# Altium PCB MiroCard.PcbDoc (part 1 of 2) (continued)
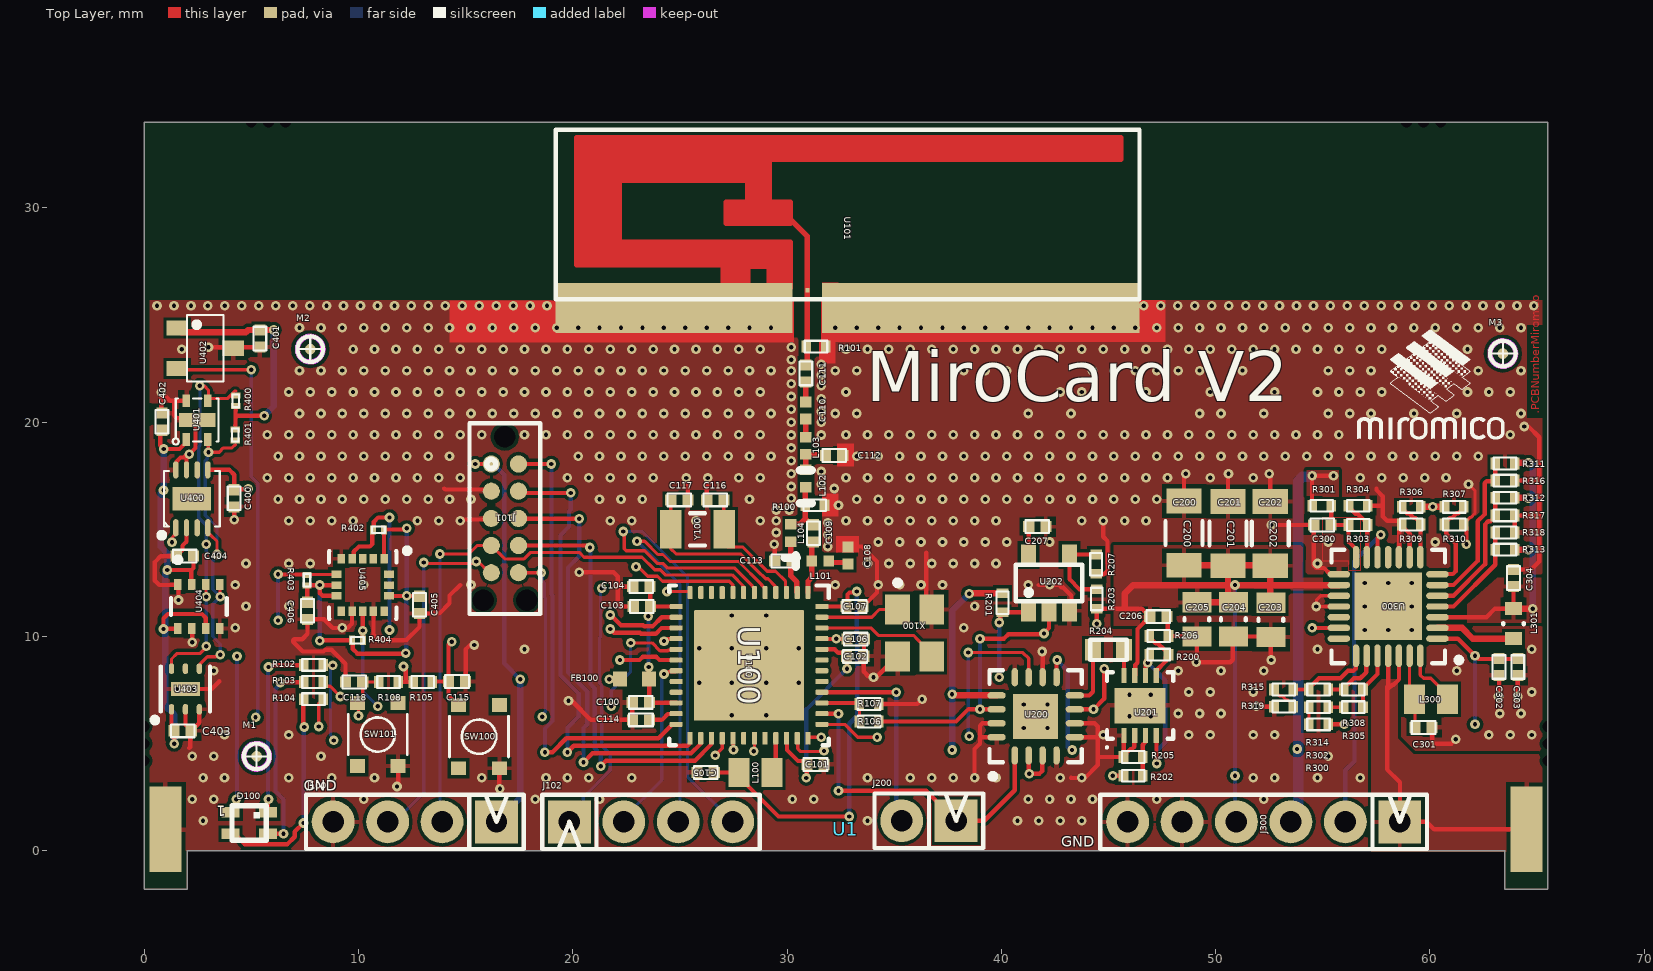
[diagram p0: Top Layer view]
## Footprints (in the part's own frame and the unit in brackets; to place one, negate y for a bottom-side part, rotate by r counter-clockwise, add the part's x,y. Pads: shape width x height; smd on the part's side, far side on the other; paste and mask are expansions set on the pad)
"2.4GHz Inverted F Antenna" [mm] "Antenna Patch, 2 pins, 1 side"
  rect 0.2x0.2 smd paste-10 mask+0: 1(0,0)
  rect 11.06x2.355 smd paste-10 mask+0.051: 2(-6.215,-0.823)
  rect 14.815x2.355 smd paste-10 mask+0.051: 3(8.093,-0.823)
  Top Layer lines w0.25: -10.77,1.245 -0.787,1.245 ; -10.77,1.448 -0.787,1.448 ; -10.77,1.651 -0.787,1.651 ; -10.77,1.854 -0.787,1.854 ; -10.77,2.057 -0.787,2.057 ; -10.77,2.261 -0.787,2.261 ; -10.77,2.464 -8.787,2.464 ; -10.77,2.667 -8.787,2.667 ; -10.77,2.87 -8.787,2.87 ; -10.77,3.073 -8.787,3.073 ; -10.77,3.277 -8.787,3.277 ; -10.77,3.48 -8.787,3.48 ; -10.77,3.683 -8.787,3.683 ; -10.77,3.886 -8.787,3.886 ; -10.77,4.089 -8.787,4.089 ; -10.77,4.293 -8.787,4.293 ; -10.77,4.496 -8.787,4.496 ; -10.77,4.699 -8.787,4.699 ; -10.77,4.902 -8.787,4.902 ; -10.77,5.105 -8.787,5.105 ; -10.77,5.309 -1.787,5.309 ; -10.77,5.512 -1.787,5.512 ; -10.77,5.715 -1.787,5.715 ; -10.77,5.918 -1.787,5.918 ; -10.77,6.121 -1.787,6.121 ; -10.77,6.325 14.63,6.325 ; -10.77,6.528 14.63,6.528 ; -10.77,6.731 14.63,6.731 ; -10.77,6.934 14.63,6.934 ; -3.937,0.229 -2.787,0.229 ; -3.937,0.432 -2.787,0.432 ; -3.937,0.635 -2.787,0.635 ; -3.937,0.838 -2.787,0.838 ; -3.937,1.041 -2.787,1.041 ; -3.787,3.277 -0.787,3.277 ; -3.787,3.48 -0.787,3.48 ; -3.787,3.683 -0.787,3.683 ; -3.787,3.886 -0.787,3.886 ; -3.787,4.089 -0.787,4.089 ; -2.787,4.293 -1.787,4.293 ; -2.787,4.496 -1.787,4.496 ; -2.787,4.699 -1.787,4.699 ; -2.787,4.902 -1.787,4.902 ; -2.787,5.105 -1.787,5.105 ; -1.787,0.229 -0.787,0.229 ; -1.787,0.432 -0.787,0.432 ; -1.787,0.635 -0.787,0.635 ; -1.787,0.838 -0.787,0.838 ; -1.787,1.041 -0.787,1.041 ; -0.854,3.375 0,2.521 0,0 ; -0.787,2.261 -0.787,0.127 -1.787,0.127 -1.787,1.127 -2.787,1.127 -2.787,0.127 -3.937,0.127 -3.937,1.168 -10.236,1.194 -10.77,1.194 -10.77,7.137 14.63,7.137 14.63,6.127 -1.787,6.127 -1.787,4.127 -0.787,4.127 -0.787,3.127 -3.787,3.127 -3.787,4.127 -2.787,4.127 -2.787,5.127 -8.787,5.127 -8.787,2.261 -0.787,2.261
  silkscreen extent -11.75,-0.42 15.5,7.5
"8  -  Pin DFN 2.5  x  2.5  mm x 0.9 mm" [mm] "8  -  Pin DFN 2.5  x  2.5  mm x 0.9 mm"
  oval 0.8x0.25 smd: 1(-1.35,0.75) 2(-1.35,0.25) 3(-1.35,-0.25) 4(-1.35,-0.75) 5(1.35,-0.75) 6(1.35,-0.25) 7(1.35,0.25) 8(1.35,0.75)
  rect 1.1x1.8 smd: 9(0,0)
  silkscreen extent -1.82,-1.3 1.3,1.52, body extent -1.26,-1.25 1.26,1.25, height 0.9
"50x30 Flat 6 Cell - Gen 2-Footprint-1" [mm]
  rect 1.5x4 smd far side: 1(0,0) 2(63.5,0)
  silkscreen extent -4,-4 67.5,36, body extent -4,-7 67.5,36, height 0.75
ABRA-ABS07_A_V [mm] "SMD, 2-Leads, Body 3.2x1.5mm"
  rect 1x1.8 smd: 1(-1.25,0) 2(1.25,0)
  silkscreen extent -0.35,-0.75 0.35,0.75, body extent -1.6,-0.75 1.6,0.75, height 0.9
APTF1616LSEEZGKQBKC [mm] "RGB LED 2.65V"
  rect 0.85x0.5 smd: 1(0.875,-0.5) 2(-0.875,-0.5) 3(-0.875,0.5) 4(0.875,0.5)
  silkscreen extent -0.8,-0.8 0.8,0.8, body extent -0.8,-0.8 0.8,0.8, height 0.7
CAPC0402(1005)60_L [mm] "Chip Capacitor, Body 1.0x0.5mm, Height 0.6mm, IPC High Density"
  rect 0.52x0.52 smd: 1(-0.4,0) 2(0.4,0)
  silkscreen extent -0.55,-0.3 0.55,0.3, body extent -0.5,-0.25 0.5,0.25, height 0.5
CAPC0805(2012)95_L [mm] "Chip Capacitor, Body 2.0x1.2mm, Height 0.95mm, IPC High Density"
  rect 0.95x1.35 smd: 1(-0.8,0) 2(0.8,0)
  silkscreen extent -0.05,-0.58 0.05,0.58, body extent -1.1,-0.72 1.1,0.72, height 0.95
CAPC1206(3216)145_N [mm]
  rect 1.15x1.65 smd: 1(-1.5,0) 2(1.5,0)
  silkscreen extent -0.56,-0.86 0.54,0.86, body extent -1.6,-0.8 1.6,0.8, height 1.6
CP-16-4_L [mm] "QFN, 16-Leads, Body 4x4mm, Pitch 0.65mm, Thermal Pad 2.1x2.1mm, IPC High Density"
  oval 0.85x0.3 smd: 1(-1.825,0.975) 2(-1.825,0.325) 3(-1.825,-0.325) 4(-1.825,-0.975) 9(1.825,-0.975) 10(1.825,-0.325) 11(1.825,0.325) 12(1.825,0.975)
  oval 0.3x0.85 smd: 5(-0.975,-1.825) 6(-0.325,-1.825) 7(0.325,-1.825) 8(0.975,-1.825) 13(0.975,1.825) 14(0.325,1.825) 15(-0.325,1.825) 16(-0.975,1.825)
  rect 2.1x2.1 smd: 17(0,0)
  silkscreen extent -2.92,-2.15 2.15,2.15, body extent -2,-2 2,2, height 1
EPSON-TSX-3225_V [mm] "SMD, 4-Leads, Body 3.2x2.5mm"
  rect 1.4x1.15 smd: 1(-1.1,-0.8) 2(1.1,-0.8) 3(1.1,0.8) 4(-1.1,0.8)
  silkscreen extent -2.47,-0.92 -2.23,-0.67, body extent -1.6,-1.25 1.6,1.25, height 0.6
"Fiducial round_small" [mm] "0.5mm round fiducial, 1mm free area"
  round 0.5 smd paste-1 mask+0.25: 0(0,0)
  Top Layer keep-out circle w0.25: c0,0 r0.6
  silkscreen extent -0.6,-0.6 0.6,0.6
FP-BME280-MFG [mm]
  rect 0.5x0.35 smd paste+0 mask+0: 1(1.025,0.975) 2(1.025,0.325) 3(1.025,-0.325) 4(1.025,-0.975) 5(-1.025,-0.975) 6(-1.025,-0.325) 7(-1.025,0.325) 8(-1.025,0.975)
  silkscreen extent -0.4,-1.3 2.3,1.3, body extent -1.25,-1.25 1.25,1.25, height 1
FP-DNP0006A-MFG [mm]
  rrect100% 0.5x0.25 smd paste+0 mask+0: 1(-0.95,0.65) 2(-0.95,0) 3(-0.95,-0.65) 4(0.95,-0.65) 5(0.95,0) 6(0.95,0.65)
  rect 0.65x1.35 smd paste-1000 mask+0: 7(0,0)
  silkscreen extent -1.57,-1.15 1.05,1.55, body extent -1,-1 1,1, height 0.65
FP-LGA-16-7983231-MFG [mm]
  rect 0.45x0.35 smd paste-1000 mask+0: 1(-1.225,1) 2(-1.225,0.5) 3(-1.225,0) 4(-1.225,-0.5) 5(-1.225,-1) 9(1.225,-1) 10(1.225,-0.5) 11(1.225,0) 12(1.225,0.5) 13(1.225,1)
  rect 0.35x0.45 smd paste-1000 mask+0: 6(-0.5,-1.225) 7(0,-1.225) 8(0.5,-1.225) 14(0.5,1.225) 15(0,1.225) 16(-0.5,1.225)
  silkscreen extent -1.72,-1.58 1.58,2.2, body extent -1.5,-1.5 1.5,1.5, height 1
FP-MLZ1608-MFG [mm]
  rect 0.6x0.8 smd paste+0 mask+0: 1(-0.7,0) 2(0.7,0)
  silkscreen extent -0.03,-0.48 0.03,0.48, body extent -0.8,-0.4 0.8,0.4, height 0.95
HDR1x2 [mm] "2 Pin Header, 2.54 mm"
  rect 2x2 hole 1: 1(-1.27,0)
  round 2 hole 1: 2(1.27,0)
  silkscreen extent -2.54,-1.27 2.54,1.27, body extent -2.54,-1.27 2.54,1.27, height 9.5
HDR1x4 [mm] "4 Pin Header, 2.54 mm"
  rect 2x2 hole 1: 1(-3.81,0)
  round 2 hole 1: 2(-1.27,0) 3(1.27,0) 4(3.81,0)
  silkscreen extent -5.08,-1.27 5.08,1.27, body extent -5.08,-1.27 5.08,1.27, height 9.5
HDR1x6 [mm] "6 Pin Header, 2.54 mm"
  rect 2x2 hole 1: 1(-6.35,0)
  round 2 hole 1: 2(-3.81,0) 3(-1.27,0) 4(1.27,0) 5(3.81,0) 6(6.35,0)
  silkscreen extent -7.62,-1.27 7.62,1.27, body extent -7.62,-1.27 7.62,1.27, height 9.5
INDC0805(2012)X11_L [mm] "Chip Inductor, 2-Leads, Body 2.00x1.25mm, IPC High Density"
  rect 0.97x1.37 smd: 1(-0.77,0) 2(0.77,0)
  body extent -1.1,-0.72 1.1,0.72, height 1.1
INDC1005X55X25LL05T10_A [mm] "Chip Inductor, 2-Leads, Body 1.05x0.55mm, IPC High Density"
  rect 0.49x0.52 smd: 1(-0.405,0) 2(0.405,0)
  silkscreen extent -1.15,-0.28 -1.15,0.28, body extent -0.52,-0.28 0.53,0.28, height 0.55
KMT021NGJLHS-Footprint-1 [mm]
  rect 0.65x0.7 smd: 1(-1.475,0.95) 2(1.475,0.95) 3(-1.475,-0.95) 4(1.475,-0.95)
  silkscreen extent -0.95,-1.38 0.95,1.38, body extent -1.7,-1.3 1.7,1.3, height 0.7
LT-DD8_V [mm] "SON, 8-Leads, Body 3x3mm, Pitch 0.5mm, Thermal Pad 2.38x1.65mm"
  rect 0.7x0.25 smd: 1(-1.4,0.75) 2(-1.4,0.25) 3(-1.4,-0.25) 4(-1.4,-0.75) 5(1.4,-0.75) 6(1.4,-0.25) 7(1.4,0.25) 8(1.4,0.75)
  rect 1.65x2.38 smd: 9(0,0)
  silkscreen extent -2,-1.55 1.55,1.6, body extent -1.5,-1.5 1.5,1.5, height 0.8
MURA-BLM18-RF-H4-CHIP-2_V [mm] "Chip Ferrite Bead, 2-Leads, Body 1.6x0.8mm, Height 0.95mm, Reflow"
  rect 0.65x0.7 smd: 1(-0.675,0) 2(0.675,0)
  body extent -0.8,-0.4 0.8,0.4, height 0.95
QFN50P500X500X85_HS-29N [mm] "QFN, 28-Leads, Body 5.00x5.00mm, Pitch 0.50mm, Thermal Pad 3.15x3.15mm, IPC Medium Density"
  oval 1.05x0.3 smd: 1(-2.3,1.5) 2(-2.3,1) 3(-2.3,0.5) 4(-2.3,0) 5(-2.3,-0.5) 6(-2.3,-1) 7(-2.3,-1.5) 15(2.3,-1.5) 16(2.3,-1) 17(2.3,-0.5) 18(2.3,0) 19(2.3,0.5) 20(2.3,1) 21(2.3,1.5)
  oval 0.3x1.05 smd: 8(-1.5,-2.3) 9(-1,-2.3) 10(-0.5,-2.3) 11(0,-2.3) 12(0.5,-2.3) 13(1,-2.3) 14(1.5,-2.3) 22(1.5,2.3) 23(1,2.3) 24(0.5,2.3) 25(0,2.3) 26(-0.5,2.3) 27(-1,2.3) 28(-1.5,2.3)
  rect 3.15x3.15 smd: 29(0,0)
  silkscreen extent -3.43,-2.65 2.65,2.65, body extent -2.5,-2.5 2.5,2.5, height 0.85
RESC0201(0603)_L [mm] "Chip Resistor, Body 0.6x0.3mm, IPC High Density"
  rect 0.28x0.43 smd: 1(-0.255,0) 2(0.255,0)
  silkscreen extent -0.3,-0.15 0.3,0.15, body extent -0.3,-0.15 0.3,0.15, height 0.22
RESC0402(1005)_L [mm] "Chip Resistor, Body 1.0x0.5mm, IPC High Density"
  rect 0.45x0.55 smd: 1(-0.45,0) 2(0.45,0)
  silkscreen extent -0.53,-0.27 0.53,0.28, body extent -0.5,-0.25 0.5,0.25, height 0.31
RESC0603(1608)_L [mm] "Chip Resistor, Body 1.6x0.8mm, IPC High Density"
  rect 0.75x1 smd: 1(-0.725,0) 2(0.725,0)
  silkscreen extent -0.85,-0.47 0.85,0.48, body extent -0.8,-0.4 0.8,0.4, height 0.45
RGZ0048A_V [mm] "QFN, 48-Leads, Body 7x7mm, Pitch 0.5mm, Thermal Pad 5.15X5.15mm, TI recommended"
  rrect42% 0.6x0.24 smd: 1(-3.4,2.75) 2(-3.4,2.25) 3(-3.4,1.75) 4(-3.4,1.25) 5(-3.4,0.75) 6(-3.4,0.25) 7(-3.4,-0.25) 8(-3.4,-0.75) 9(-3.4,-1.25) 10(-3.4,-1.75) 11(-3.4,-2.25) 12(-3.4,-2.75) 25(3.4,-2.75) 26(3.4,-2.25) 27(3.4,-1.75) 28(3.4,-1.25) 29(3.4,-0.75) 30(3.4,-0.25) 31(3.4,0.25) 32(3.4,0.75) 33(3.4,1.25) 34(3.4,1.75) 35(3.4,2.25) 36(3.4,2.75)
  rrect42% 0.24x0.6 smd: 13(-2.75,-3.4) 14(-2.25,-3.4) 15(-1.75,-3.4) 16(-1.25,-3.4) 17(-0.75,-3.4) 18(-0.25,-3.4) 19(0.25,-3.4) 20(0.75,-3.4) 21(1.25,-3.4) 22(1.75,-3.4) 23(2.25,-3.4) 24(2.75,-3.4) 37(2.75,3.4) 38(2.25,3.4) 39(1.75,3.4) 40(1.25,3.4) 41(0.75,3.4) 42(0.25,3.4) 43(-0.25,3.4) 44(-0.75,3.4) 45(-1.25,3.4) 46(-1.75,3.4) 47(-2.25,3.4) 48(-2.75,3.4)
  rrect2% 5.15x5.15 smd paste-2.6: 49(0,0)
  silkscreen extent -3.72,-3.72 3.72,3.72, body extent -3.58,-3.57 3.57,3.58, height 1.01
SHTC1-Footprint-1 [mm]
  rect 0.6x0.35 smd paste+0: 1(-0.9,0.5) 2(-0.9,-0.5) 3(0.9,-0.5) 4(0.9,0.5)
  rect 0.65x1.7 smd paste+0: 4(0,0)
  silkscreen extent -1.14,-1 1,1.14, body extent -1,-1 1,1, height 0.75
SOT23-3 [mm] "SOT23-3, SOT 23-3, SOT23, SOT-23-3"
  rect 1x0.7 smd: 1(1.3,-0.95) 2(1.3,0.95) 3(-1.3,0)
  silkscreen extent -0.85,-1.55 0.85,1.55, body extent -0.85,-1.55 0.85,1.55, height 1.45
"SOT23-5 SOT-23-5" [mm] "SOT23-5 SOT-23-5"
  rect 1x0.7 smd: 1(-1.3,0.95) 2(-1.3,0) 3(-1.3,-0.95) 4(1.3,-0.95) 5(1.3,0.95)
  silkscreen extent -0.85,-1.55 0.85,1.55, body extent -0.85,-1.55 0.85,1.55, height 1.45
TC2050-IDC-NL-10 [mm] "Tag Connect 2050 IDC, 10 Pins, no legs"
  round 0 hole 1 unplated: 0(-3.81,0) 0(3.81,-1.016) 0(3.81,1.016)
  round 0.8 smd paste-0.8: 1(-2.54,-0.635) 2(-1.27,-0.635) 3(0,-0.635) 4(1.265,-0.635) 5(2.535,-0.635) 6(2.535,0.635) 7(1.265,0.635) 8(0,0.635) 9(-1.27,0.635) 10(-2.54,0.635)
  silkscreen extent -4.44,-1.65 4.46,1.65

## Part data
C100 C101 C102 C103 C106 C107 C115 C118 C206 C401: library part CMP-00416-01, "0.1µF ±10% 16V Ceramic Capacitor X5R 0402 (1005 Metric)", Capacitance=100nF, Case/Package=0402, Case Code (Metric)=1005, Dielectric=X5R, Manufacturer="Murata Electronics", Max Operating Temperature=85°C, Min Operating Temperature=-55°C, Package Quantity=1, Supplier Part Number 1=490-5415-1-ND, Tolerance=10%, Voltage=16V, Case Code (Imperial)=0402, ComponentLink1Description=Datasheet, Depth=0.5mm, Height=0.5mm, Lead Free="Lead Free", Length=1mm, Manufacturer Part Number=GRM155R61C104KA88D, Mount="Surface Mount", Packaging="Tape and Reel", Radiation Hardening=No, REACH SVHC="No SVHC", Supplier 1=Digi-Key, Termination=SMD/SMT, Thickness=0.022inch, Voltage Rating=16V, Voltage Rating (DC)=16V, Width=0.02inch
C104 C105 C300 C301 C302 C303 C304 C406: library part CMP-00462-01, "10µF ±20% 6.3V Ceramic Capacitor X5R 0402 (1005 Metric)", Capacitance=10µF, Case/Package=0402, Case Code (Metric)=1005, Dielectric=X5R, Manufacturer="Murata Electronics", Max Operating Temperature=85°C, Min Operating Temperature=-55°C, Supplier Part Number 1=490-13211-1-ND, Tolerance=20%, Voltage Rating=6.3V, Case Code (Imperial)=0402, ComponentLink1Description=Datasheet, Features="Soft Termination", Length=0.039inch, Manufacturer Part Number=GRJ155R60J106ME11D, Mount="Surface Mount", Packaging="Cut Tape", Supplier 1=Digi-Key, Thickness=0.028inch, Width=0.02inch
C108: library part CMP-1034-00503-1, "CAP 6.8pF 10V ±5% 0402 (1005 Metric) Thickness 0.6mm SMD", Case-EIA=0402, Case-Metric=1005, Rated Voltage="10 V", Tolerance=±5%, Max Thickness="0.6 mm", Technology=SMT
C109 C112 C113: library part CMP-00426-01, "1pF ±0.1pF 50V Ceramic Capacitor C0G, NP0 0402 (1005 Metric)", Capacitance=1pF, Case/Package=0402, Case Code (Metric)=1005, Dielectric=C0G, Manufacturer="Murata Electronics", Max Operating Temperature=125°C, Min Operating Temperature=-55°C, Package Quantity=10000, Supplier Part Number 1=490-6206-1-ND, Temperature Coefficient=30ppm/°C, Tolerance=±0.1pF, Voltage=50V, Case Code (Imperial)=0402, ComponentLink1Description=Datasheet, Depth=0.5mm, Height=0.5mm, Lead Free="Lead Free", Length=1mm, Manufacturer Part Number=GRM1555C1H1R0BA01D, Material=Ceramic, Mount="Surface Mount", Packaging="Tape and Reel", Radiation Hardening=No, REACH SVHC="No SVHC", Supplier 1=Digi-Key, Termination=SMD/SMT, Thickness=0.022inch, Voltage Rating=50V, Voltage Rating (DC)=50V, Width=0.5mm
C110: library part CMP-1034-00750-1, "CAP 12pF 10V ±2% 0402 (1005 Metric) Thickness 0.6mm SMD", Case-EIA=0402, Case-Metric=1005, Rated Voltage="10 V", Tolerance=±2%, Max Thickness="0.6 mm", Technology=SMT
C111: library part CMP-00424-01, "1.8pF ±0.1pF 50V Ceramic Capacitor C0G, NP0 0402 (1005 Metric)", Capacitance=1.8pF, Case/Package=0402, Case Code (Metric)=1005, Dielectric=C0G, Manufacturer="Murata Electronics", Max Operating Temperature=125°C, Min Operating Temperature=-55°C, Package Quantity=10000, Supplier Part Number 1=490-6215-1-ND, Temperature Coefficient=30ppm/°C, Tolerance=±0.1pF, Voltage=50V, Case Code (Imperial)=0402, ComponentLink1Description=Datasheet, Depth=0.5mm, Height=0.5mm, Lead Free="Lead Free", Length=1mm, Manufacturer Part Number=GRM1555C1H1R8BA01D, Material=Ceramic, Mount="Surface Mount", Packaging="Tape and Reel", Radiation Hardening=No, REACH SVHC=Unknown, Supplier 1=Digi-Key, Termination=SMD/SMT, Thickness=0.022inch, Voltage Rating=50V, Voltage Rating (DC)=50V, Width=0.02inch
C114 C207: library part CMP-00441-03, "1µF ±10% 6.3V Ceramic Capacitor X7R 0402 (1005 Metric)", Capacitance=1µF, Case/Package=0402, Case Code (Metric)=1005, Dielectric=X7R, Manufacturer="Murata Electronics", Max Operating Temperature=125°C, Min Operating Temperature=-55°C, Package Quantity=50000, Supplier Part Number 1=490-13339-1-ND, Tolerance=10%, Voltage Rating=6.3V, Case Code (Imperial)=0402, ComponentLink1Description=Datasheet, Length=0.039inch, Manufacturer Part Number=GRM155R70J105KA12J, Mount="Surface Mount", Packaging="Tape and Reel", Supplier 1=Digi-Key, Termination=SMD/SMT, Thickness=0.022inch, Voltage Rating (DC)=6.3V, Weight=0.000212oz, Width=0.02inch
C116 C117: library part CMP-00428-01, "12pF ±5% 50V Ceramic Capacitor C0G, NP0 0402 (1005 Metric)", Capacitance=12pF, Case/Package=0402, Case Code (Metric)=1005, Dielectric=C0G, Manufacturer="Murata Electronics", Max Operating Temperature=125°C, Min Operating Temperature=-55°C, Package Quantity=10000, Supplier Part Number 1=490-5924-1-ND, Temperature Coefficient=30ppm/°C, Tolerance=5%, Voltage=50V, Case Code (Imperial)=0402, ComponentLink1Description=Datasheet, Depth=0.5mm, Height=0.5mm, Lead Free="Lead Free", Length=1mm, Manufacturer Part Number=GRM1555C1H120JA01D, Material=Ceramic, Mount="Surface Mount", Number of Pins=2, Packaging="Tape and Reel", Radiation Hardening=No, REACH SVHC="No SVHC", Supplier 1=Digi-Key, Termination=SMD/SMT, Thickness=0.022inch, Voltage Rating=50V, Voltage Rating (DC)=50V, Width=0.5mm
C200 C201 C202: library part CMP-LMK316BBJ107ML-T, "CAP 100uF 10V ±20% 1206 (3216 Metric) Thickness 1.45mm SMD", Case-EIA=1206, Case-Metric=3216, Rated Voltage="10 V", Tolerance=±20%, Max Thickness="1.45 mm", Technology=SMT
C203 C204 C205: library part CMP-GRM219R60J476ME44D, "CAP 47uF 6.3V ±20% 0805 (2012 Metric) Thickness 0.95mm SMD", Case-EIA=0805, Case-Metric=2012, Rated Voltage="6.3 V", Tolerance=±20%, Max Thickness="0.95 mm", Technology=SMT
C400 C402 C404 C405: library part CMP-00416-02, "0.1µF ±10% 25V Ceramic Capacitor X7R 0402 (1005 Metric)", Capacitance=100nF, Case/Package=0402, Case Code (Metric)=1005, Dielectric=X7R, Manufacturer="Murata Electronics", Max Operating Temperature=125°C, Min Operating Temperature=-55°C, Package Quantity=50000, Resistor Type=Ceramic, Supplier Part Number 1=490-14603-1-ND, Tolerance=10%, Voltage Rating=25V, Case Code (Imperial)=0402, ComponentLink1Description=Datasheet, Height=0.5mm, Length=0.039inch, Manufacturer Part Number=GRM155R71E104KE14J, Mount="Surface Mount", Packaging="Tape and Reel", Supplier 1=Digi-Key, Termination=SMD/SMT, Thickness=0.022inch, Voltage Rating (DC)=25V, Weight=0.000212oz, Width=0.5mm
C403: library part CMP-00416-02, "0.1µF ±10% 25V Ceramic Capacitor X7R 0402 (1005 Metric)", Capacitance=100nF, Case Code (Imperial)=0402, Case Code (Metric)=1005, Dielectric=X7R, Manufacturer="Murata Electronics", Max Operating Temperature=125°C, Min Operating Temperature=-55°C, Package Quantity=50000, Resistor Type=Ceramic, Supplier Part Number 1=490-14603-1-ND, Tolerance=10%, Voltage Rating=25V, Case/Package=0402, ComponentLink1Description=Datasheet, Height=0.5mm, Length=0.039inch, Manufacturer Part Number=GRM155R71E104KE14J, Mount="Surface Mount", Packaging="Tape and Reel", Supplier 1=Digi-Key, Termination=SMD/SMT, Thickness=0.022inch, Voltage Rating (DC)=25V, Weight=0.000212oz, Width=0.5mm
D100: library part CMP-00017-A.6, "HELI Colour; 1.6X1.6MM LOW CURRENT RGB SMD LED", Case/Package=0606, Case Code (Metric)=1616, Colour=Blue,Green,Red, Forward Voltage=2.7V, Lens Colour=Colorless, Manufacturer=Kingbright, Supplier Part Number 1=754-1972-1-ND, Test Current=2mA, Case Code (Imperial)=0606, Category=LED, ComponentLink1Description=3447e5e9f92dce591761be9cb3680f3b.pdf, ComponentLink1URL=http://www.alliedelec.com/m/d/3447e5e9f92dce591761be9cb3680f3b.pdf, Dominant Wavelength=465nm, Height=0.9mm, Length=1.6mm, Lens Transparency=Clear, Luminous Intensity=14mcd, Manufacturer Part Number=APTF1616LSEEZGKQBKC, Packaging="Tape and Reel", Properties="Red, Green, Blue (RGB) 621nm Red, 525nm Green, 465nm Blue LED Indication - Discrete 1.8V Red, 2.7V Green, 2.7V Blue 0606 (1616 Metric)", Supplier 1=Digi-Key, Viewing Angle=120°, Width=1.6mm
FB100: library part CMP-0686-00368-2, "Chip Ferrite Bead for GHz Band High-speed Signal Lines, 1500 Ohm, 500 mA, -55 to 125 degC, 1.6 x 0.8 x 0.95 mm SMD, Tape and Reel", DC Resistance="0.50 Ohm Max.", Manufacturer=Murata, Operating Temperature Range="-55 to 125 degC", Rated Current="500 mA", ComponentLink1Description="Manufacturer URL", ComponentLink1URL=http://www.murata.com/, ComponentLink2Description=Datasheet, ComponentLink2URL=http://www.murata.com/products/catalog/pdf/c31e.pdf, ComponentLink3Description="Package Specification", ComponentLink3URL=http://www.murata.com/products/catalog/pdf/c31e.pdf, DatasheetVersion=08/2013, Impedance (at 100 MHz)="1500 Ohm +/- 25%", Mounting Technology="Surface Mount", PackageDescription="2-Pin Chip, Body 1.6 x 0.8 mm", PackageReference=BLM18_H950-2, Packing="Tape and Reel", PartNumber=BLM18HE152SN1D
J100 J102: library part HDR1x4-01, "1x4 Pin Header, 2.54mm", Properties="1x4 Pin Terminal Header, 2.54mm", SchLibComponentName=HDR1x4
J101: library part TDC2050-IDC-03, "TDC2050-IDC, 10Pins, dual footprint (leg and no-legs)", Manufacturer=Tag-Connect, ComponentLink1Description=Datasheet, ComponentLink1URL=http://www.tag-connect.com/Materials/TC2050-IDC%20Datasheet.pdf, Manufacturer Part Number=TC2050-IDC, SchLibComponentName=TC2050-IDC
J200: library part HDR1x2-01, "1x2 Pin Header, 2.54mm", Properties="1x2 Pin Terminal Header, 2.54mm", SchLibComponentName=HDR1x2
J300: library part HDR1x6-01, "1x6 Pin Header, 2.54mm", Properties="1x6 Pin Terminal Header, 2.54mm", SchLibComponentName=HDR1x6
L100 L300: library part CMP-00871-1, "FIXED IND 10UH 110MA 520 MOHM", Case/Package=0805, Case Code (Metric)=2012, Current Rating=110mA, DC Resistance (DCR)=520mR, Inductance=10uh, Inductance Tolerance=20%, Max Operating Temperature=85°C, Min Operating Temperature=-40°C, Package Quantity=2000, Self Resonant Frequency=24MHz, Test Frequency=2MHz, Case Code (Imperial)=0805, Core Material=Ferrite, DC Current=110mA, Depth=1.45mm, Halogen Free="Halogen Free", Height=1.25mm, Height - Seated (Max)=0.057inch, Lead Free="Lead Free", Length=2mm, Max DC Current=110mA, Military Standard=Not, Mount="Surface Mount", Packaging="Tape and Reel", Radiation Hardening=No, REACH SVHC=Unknown, Shielding=Unshielded, Termination=SMD/SMT, Tolerance=20%, Width=0.049inch
L101 L102 L103 L104: library part CMP-2000-06579-1, "Chip Inductor, 2.4 nH, +/- 0.3 nH, 300 mA, -55 to 125 degC, 0402 (1005 Metric), RoHS, Tape and Reel", Inductance=2.4nH, Manufacturer=MurataElectronics, Maximum DC Current=300mA, Maximum DC Resistance=150mOhm, Package/Case=0402, Package Description="2-Pin Surface Mount Device, Body 1 x 0.5 mm", Tolerance=0.3nH, Category=InductorSurfaceMount, Core Material=Air, Datasheet URL=http://search.murata.co.jp/Ceramy/image/img/PDF/ENG/L0075S0083LQG15HS.pdf, Datasheet Version=09/2010, Manufacturer URL=http://www.murata.com/, Minimum Quality Factor=8@100MHz, Mounting Technology=SurfaceMount, Package Reference=0402, Product Height=0.55mm, Type=RFChip
L301: library part CMP-08253-000012-1, "FIXED IND 10UH 250MA 1.05 OHM", Inductance=10uH, Manufacturer=TDK, Package=MLZ1608, Rms Current=250mA, Saturation Current=90mA, Series Resistance=1.05O, Temperature="-55°C to +125°C", Temperature Range High=+125°C, Temperature Range Low=-55°C, Test Frequency=2MHz, Tolerance=20%, Automotive=No, Category=Ind, ComponentLink2Description=Datasheet, ComponentLink2URL=https://product.tdk.com/info/en/catalog/datasheets/inductor_commercial_decoupling_mlz1608_en.pdf, Composition=Multilayer, Core Material=Ferrite, Device Class L1="Passive Components", Device Class L2=Inductors, Device Class L3="Fixed Inductors", Digikey Description="FIXED IND 10UH 250MA 1.05 OHM", Height=0.95mm, Ipc Land Pattern Name=CAPC16080X80, Lead Free=Yes, Manufacturer Part Number=MLZ1608M100WT000, Octopart=https://octopart.com/mlz1608m100wt000-tdk-22244539, RoHS=TRUE, Shielding=true
M1 M2 M3: library part "Fiducial Round-10", "Fiducial (Optical Marker)"
R100 R101: library part CMP-00467-01, "1.6 Ohms ±1% 0.063W, 1/16W Chip Resistor 0402 (1005 Metric) Automotive AEC-Q200 Thick Film", Case/Package=0402, Case Code (Metric)=1005, Manufacturer="Vishay Dale", Max Operating Temperature=155°C, Max Power Dissipation=63mW, Min Operating Temperature=-55°C, Package Quantity=10, Resistance=1.6, Resistor Type="Thick Film", Supplier Part Number 1=541-1.60LLCT-ND, Temperature Coefficient=100ppm/°C, Tolerance=1%, Voltage Rating=50V, Case Code (Imperial)=0402, ComponentLink1Description=Datasheet, ComponentLink1URL=https://www.vishay.com/docs/20035/dcrcwe3.pdf, Contact Plating=Tin, Features="Automotive AEC-Q200", Height=0.016inch, Lead Free="Lead Free", Length=0.039inch, Manufacturer Part Number=CRCW04021R60FKED, Number of Terminations=2, Packaging="Tape and Reel", Power Rating=63mW, Radiation Hardening=No, Supplier 1=Digi-Key, Termination=SMD/SMT, Weight=2.3E-05oz, Width=0.5mm
R102 R103 R104: library part CMP-00466-01, "300 Ohms ±1% 0,063W, 1/16W Chipwiderstand 0402 (1005 metrisch) AutomobilzulassungAEC-Q200 Dickschicht", Case/Package=0402, Case Code (Metric)=1005, Manufacturer="Stackpole Electronics Inc", Max Operating Temperature=155°C, Max Power Dissipation=63mW, Min Operating Temperature=-55°C, Package Quantity=10000, Resistance=300, Resistor Type="Thick Film", Supplier Part Number 1=RMCF0402FT300RCT-ND, Temperature Coefficient=100ppm/°C, Tolerance=1%, Case Code (Imperial)=0402, ComponentLink1Description=Datasheet, ComponentLink1URL=https://www.seielect.com/catalog/sei-rmcf_rmcp.pdf, Contact Plating=Tin,Matte, Features="Automotive AEC-Q200", Height=0.016inch, Lead Free="Lead Free", Length=0.039inch, Manufacturer Part Number=RMCF0402FT300R, Mount="Surface Mount", Number of Terminations=2, Packaging="Tape and Reel", Power Rating=63mW, Radiation Hardening=No, Supplier 1=Digi-Key, Width=0.02inch
R105 R108 R201 R203 R207: library part CMP-00463-01, "100 kOhms ±1% 0,063W, 1/16W Chipwiderstand 0402 (1005 metrisch) AutomobilzulassungAEC-Q200 Dickschicht", Case/Package=0402, Case Code (Metric)=1005, Manufacturer="Stackpole Electronics Inc", Max Operating Temperature=155°C, Max Power Dissipation=63mW, Min Operating Temperature=-55°C, Power Rating=62.5mW, Resistance=100k, Resistor Type="Thick Film", Supplier Part Number 1=RMCF0402FT100KCT-ND, Temperature Coefficient=100ppm/°C, Tolerance=1%, Case Code (Imperial)=0402, ComponentLink1Description=Datasheet, ComponentLink1URL=https://www.seielect.com/catalog/sei-rmcf_rmcp.pdf, Contact Plating=Tin,Matte, Depth=0.5mm, Features="Automotive AEC-Q200", Height=0.016inch, Lead Free="Lead Free", Length=1mm, Manufacturer Part Number=RMCF0402FT100K, Military Standard=Not, Mount="Surface Mount", Number of Terminations=2, Packaging="Tape and Reel", Radiation Hardening=No, Supplier 1=Digi-Key, Width=0.02inch
R106 R107: library part CMP-00464-01, "1 MOhms ±1% 0,063W, 1/16W Chipwiderstand 0402 (1005 metrisch) AutomobilzulassungAEC-Q200 Dickschicht", Case/Package=0402, Case Code (Metric)=1005, Manufacturer="Stackpole Electronics Inc", Max Operating Temperature=155°C, Max Power Dissipation=63mW, Min Operating Temperature=-55°C, Power Rating=62.5mW, Resistance=1M, Resistor Type="Thick Film", Supplier Part Number 1=RMCF0402FT1M00CT-ND, Temperature Coefficient=100ppm/°C, Tolerance=1%, Case Code (Imperial)=0402, ComponentLink1Description=Datasheet, ComponentLink1URL=https://www.seielect.com/catalog/sei-rmcf_rmcp.pdf, Contact Plating=Tin,Matte, Depth=0.5mm, Features="Automotive AEC-Q200", Height=0.016inch, Lead Free="Lead Free", Length=1mm, Manufacturer Part Number=RMCF0402FT1M00, Military Standard=Not, Mount="Surface Mount", Number of Terminations=2, Packaging="Tape and Reel", Radiation Hardening=No, Supplier 1=Digi-Key, Width=0.02inch
R200: library part CMP-00468-01, "15 kOhms ±1% 0.063W, 1/16W Chip Resistor 0402 (1005 Metric)  Thick Film", Manufacturer="Delta Electronics/Cyntec", Power Rating=63mW, Resistance=15k, Supplier Part Number 1=2037-PFR05S-153-FNHCT-ND, Tolerance=1%, ComponentLink1Description=Datasheet, ComponentLink1URL=http://www.cyntec.com/upfile/products/download/RH000000NH%20_A3_PFR05.pdf, Manufacturer Part Number=PFR05S-153-FNH, Supplier 1=Digi-Key
R202: library part CMP-00469-01, "3.16 MOhms ±1% 0.063W, 1/16W Chip Resistor 0402 (1005 Metric) Automotive AEC-Q200 Thick Film", Case/Package=0402, Case Code (Metric)=1005, Manufacturer="Vishay Dale", Max Operating Temperature=155°C, Max Power Dissipation=63mW, Min Operating Temperature=-55°C, Package Quantity=10000, Resistance=3.16M, Resistor Type="Thick Film", Supplier Part Number 1=541-3.16MLCT-ND, Temperature Coefficient=100ppm/°C, Tolerance=1%, Voltage Rating=50V, Case Code (Imperial)=0402, ComponentLink1Description=Datasheet, ComponentLink1URL=https://www.vishay.com/docs/20035/dcrcwe3.pdf, Contact Plating=Tin, Depth=0.5mm, Features="Automotive AEC-Q200", Height=0.016inch, Lead Free="Lead Free", Length=1mm, Manufacturer Part Number=CRCW04023M16FKED, Military Standard=Not, Number of Pins=2, Number of Terminations=2, Packaging="Tape and Reel", Power Rating=63mW, Radiation Hardening=No, REACH SVHC=Unknown, Supplier 1=Digi-Key, Termination=SMD/SMT, Voltage Rating (DC)=50V, Weight=2.3E-05oz, Width=0.02inch
R204: library part CMP-00472-01, "0 Ohms Jumper 0.1W, 1/10W Chip Resistor 0603 (1608 Metric) Automotive AEC-Q200 Thick Film", Case/Package=0603, Case Code (Metric)=1608, Current Rating=1A, Manufacturer="Stackpole Electronics Inc", Max Operating Temperature=155°C, Max Power Dissipation=100mW, Min Operating Temperature=-55°C, Resistance=0, Resistor Type="Thick Film", Supplier Part Number 1=RMCF0603ZT0R00CT-ND, Tolerance=Jumper, Working Voltage=75V, Case Code (Imperial)=0603, ComponentLink1Description=Datasheet, ComponentLink1URL=https://www.seielect.com/catalog/sei-rmcf_rmcp.pdf, Contact Plating=Tin,Matte, Depth=0.8mm, Features="Automotive AEC-Q200", Height=0.022inch, Lead Free="Lead Free", Length=1.55mm, Manufacturer Part Number=RMCF0603ZT0R00, Military Standard=Not, Mount="Surface Mount", Number of Terminations=2, Packaging="Tape and Reel", Power Rating=100mW, Radiation Hardening=No, Supplier 1=Digi-Key, Width=0.031inch
R205: library part CMP-00470-01, "1.18 MOhms ±1% 0.063W, 1/16W Chip Resistor 0402 (1005 Metric) Automotive AEC-Q200 Thick Film", Case/Package=0402, Manufacturer="Stackpole Electronics Inc", Max Operating Temperature=155°C, Max Power Dissipation=63mW, Min Operating Temperature=-55°C, Package Quantity=10000, Resistance=1.18M, Resistor Type="Thick Film", Supplier Part Number 1=RMCF0402FT1M18CT-ND, Temperature Coefficient=200ppm/°C, Tolerance=1%, ComponentLink1Description=Datasheet, ComponentLink1URL=https://www.seielect.com/catalog/sei-rmcf_rmcp.pdf, Contact Plating=Tin,Matte, Features="Automotive AEC-Q200", Height=0.016inch, Length=0.039inch, Manufacturer Part Number=RMCF0402FT1M18, Mount="Surface Mount", Number of Terminations=2, Packaging="Tape and Reel", Power Rating=63mW, Radiation Hardening=No, Supplier 1=Digi-Key, Width=0.02inch
R206: library part CMP-00471-01, "2.4 MOhms ±1% 0.063W, 1/16W Chip Resistor 0402 (1005 Metric) Automotive AEC-Q200 Thick Film", Case/Package=0402, Manufacturer="Stackpole Electronics Inc", Max Operating Temperature=155°C, Max Power Dissipation=63mW, Min Operating Temperature=-55°C, Package Quantity=10000, Resistance=2.4M, Resistor Type="Thick Film", Supplier Part Number 1=RMCF0402FT2M40CT-ND, Temperature Coefficient=200ppm/°C, Tolerance=1%, ComponentLink1Description=Datasheet, ComponentLink1URL=https://www.seielect.com/catalog/sei-rmcf_rmcp.pdf, Contact Plating=Tin,Matte, Features="Automotive AEC-Q200", Height=0.016inch, Length=0.039inch, Manufacturer Part Number=RMCF0402FT2M40, Mount="Surface Mount", Number of Terminations=2, Packaging="Tape and Reel", Power Rating=63mW, Radiation Hardening=No, Supplier 1=Digi-Key, Width=0.02inch
R300 R302 R305 R308 R314 R315 R319: library part R_Chip-08, "Chip Resistor", Properties=1%, SchLibComponentName=R_Chip
R301 R306 R307 R309 R310 R311 R312 R313 R316 R317 R318: library part CMP-00412-07, "0 Ohms Jumper 0.063W, 1/16W Chip Resistor 0402 (1005 Metric) Automotive AEC-Q200 Thick Film", Manufacturer="Stackpole Electronics Inc", Max Power Dissipation=63mW, Resistance=0, Supplier Part Number 1=RMCF0402ZT0R00CT-ND, Tolerance=5%, ComponentLink1Description=Datasheet, ComponentLink1URL=https://www.seielect.com/catalog/sei-rmcf_rmcp.pdf, Manufacturer Part Number=RMCF0402ZT0R00, Power Rating=63mW, Supplier 1=Digi-Key
R303: library part CMP-00501-01, "5.49 MOhms ±1% 0.063W, 1/16W Chip Resistor 0402 (1005 Metric) Automotive AEC-Q200 Thick Film", Case/Package=0402, Case Code (Metric)=1005, Manufacturer="Vishay Dale", Max Operating Temperature=155°C, Max Power Dissipation=63mW, Min Operating Temperature=-55°C, Package Quantity=10, Resistance=5.49M, Resistor Type="Thick Film", Supplier Part Number 1=541-5.49MLCT-ND, Temperature Coefficient=100ppm/°C, Tolerance=1%, Voltage Rating=50V, Case Code (Imperial)=0402, ComponentLink1Description=Datasheet, ComponentLink1URL=https://www.vishay.com/docs/20035/dcrcwe3.pdf, Contact Plating=Tin, Depth=0.5mm, Features="Automotive AEC-Q200", Height=0.016inch, Lead Free="Lead Free", Length=1mm, Manufacturer Part Number=CRCW04025M49FKED, Military Standard=Not, Number of Pins=2, Number of Terminations=2, Packaging="Tape and Reel", Power Rating=63mW, REACH SVHC=Unknown, Supplier 1=Digi-Key, Termination=SMD/SMT, Voltage Rating (DC)=50V, Weight=2.3E-05oz, Width=0.02inch
R304: library part CMP-00502-01, "4.42 MOhms ±1% 0.063W, 1/16W Chip Resistor 0402 (1005 Metric) Automotive AEC-Q200 Thick Film", Case/Package=0402, Case Code (Metric)=1005, Manufacturer="Vishay Dale", Max Operating Temperature=155°C, Max Power Dissipation=63mW, Min Operating Temperature=-55°C, Package Quantity=10, Resistance=4.42M, Resistor Type="Thick Film", Supplier Part Number 1=541-4.42MLCT-ND, Temperature Coefficient=100ppm/°C, Tolerance=1%, Voltage Rating=50V, Case Code (Imperial)=0402, ComponentLink1Description=Datasheet, ComponentLink1URL=https://www.vishay.com/docs/20035/dcrcwe3.pdf, Contact Plating=Tin, Depth=0.5mm, Features="Automotive AEC-Q200", Height=0.016inch, Lead Free="Lead Free", Length=1mm, Manufacturer Part Number=CRCW04024M42FKED, Military Standard=Not, Number of Pins=2, Number of Terminations=2, Packaging="Tape and Reel", Power Rating=63mW, Radiation Hardening=No, REACH SVHC=Unknown, Supplier 1=Digi-Key, Termination=SMD/SMT, Voltage Rating (DC)=50V, Weight=2.3E-05oz, Width=0.5mm
R400 R401 R402 R403 R404: library part CMP-00411-03, "10 kOhms ±1% 0.063W, 1/16W Chip Resistor 0402 (1005 Metric) Automotive AEC-Q200, Moisture Resistant Thick Film", Manufacturer=Yageo, Power Rating=63mW, Resistance=10k, Supplier Part Number 1=YAG3436CT-ND, Tolerance=1%, ComponentLink1Description=Datasheet, ComponentLink1URL=https://www.yageo.com/upload/media/product/productsearch/datasheet/rchip/PYu-AC_51_RoHS_L_7.pdf, Manufacturer Part Number=AC0402FR-0710KL, Supplier 1=Digi-Key
SW100 SW101: library part CMP-00503-02, "Sensorschalter Ultra-LW Tact SW SMT SPNOFa 1.6N HF", Manufacturer=C&K, Supplier Part Number 1=611-KMT021NGJLHS, ComponentLink1Description=Datasheet, ComponentLink1URL=https://www.mouser.ch/datasheet/2/60/kmt0-1841444.pdf, Manufacturer Part Number=KMT021NGJLHS, Supplier 1=Mouser
U1: library part CMP-00499-06, "Solar Cell 50x30 Flat 6 Cell", Manufacturer=Epishine, ComponentLink1Description=Datasheet, Manufacturer Part Number=LEH3_50x30_6_10, Supplier 1=Epishine, Supplier Part Number 1=LEH3_50x30_6_10
U100: library part CMP-2000-06080-1, "CC2650 SimpleLink(TM) Multistandard Wireless MCU, 1.8 to 3.8 V, -40 to 85 degC, 48-Pin VFQFN, Green (RoHS & no Sb/Br), Tape and Reel", Manufacturer="Texas Instruments", Maximum Operating Supply Voltage=3.8V, Max Processing Temp=260, Minimum Operating Supply Voltage=1.8V, Operating Supply Voltage=2.5, Operating Temperature=-40to85C, Package Description="48-Pin Quad Flat No-lead Package, Body 7 x 7 mm, Pitch 0.5 mm", Package Reference=RGZ0048A, Category=MicrocontrollerTools, Datasheet URL=http://www.ti.com/lit/ds/symlink/cc2650.pdf, Datasheet Version="Rev. B, 07/2016", Lead Finish=GoldOverNickelPalladium, Manufacturer URL=http://www.ti.com/, Maximum Speed=48MHz, Mounting=SurfaceMount, Mounting Technology=SurfaceMount, Program Memory Size=128KB, RAM Size=30KB, Screening Level=Industrial
U101: library part CMP-00262-1, "2.4GHz Inverted F Antenna", Technology=SMT
U200: library part CMP-0798-00243-1, "3 V / 5 V / +/-5 V CMOS 4-Channel Analog Multiplexer, -40 to 85 degC, 16-pin QFN (CP-16-4), Reel", Manufacturer="Analog Devices", Bandwidth (Hz)=400M, Code_JEDEC=MO-220-VGGC, ComponentLink1Description="Manufacturer URL", ComponentLink1URL=http://www.analog.com/en/index.html, ComponentLink2Description=Datasheet, ComponentLink2URL=http://www.analog.com/static/imported-files/data_sheets/ADG658_659.pdf, ComponentLink3Description="Package Specification", ComponentLink3URL=http://www.analog.com/static/imported-files/packages/46009454504174339653421710019CP_16_4.pdf, DatasheetVersion="Rev. B", Max Analog Signal Range="Vss to Vdd", Mounting Technology="Surface Mount", PackageDescription="16-Pin Lead Frame Chip Scale Package, Body 4 x 4 mm, Pitch 0.65 mm", PackageReference=CP-16-4, PackageVersion="010606-0, 01/2006", Packing=Reel, PartNumber=ADG659YCPZ-REEL7, Ron (ohms)=45, Supply V Guar Performance="Dual_(+/-5V), Single_(+3.3V), Single_(+3V), Single_(+5V)", t transition (s)=80n
U201: library part CMP-0360-00091-2, "Nanopower Comparator with Reference, 1 Channel, 2 to 11 V, -40 to +85 degC, 8-pin Plastic DFN (DD8), Tape and Reel", Generic Part Number=LTC1540, Manufacturer="Linear Technology", Supply Current (uA) Guaranteed=0.68, Supply Current (uA) Typical=0.3, Supply Voltage Range="2 to 11 V", Channels (#)=1, Code_JEDEC=M0-229, ComponentLink1Description="Manufacturer URL", ComponentLink1URL=http://www.linear.com/, ComponentLink2Description=Datasheet, ComponentLink2URL=http://cds.linear.com/docs/en/datasheet/1540fas.pdf, ComponentLink3Description="Package Specification", ComponentLink3URL=http://cds.linear.com/docs/en/packaging/DFN_8_05-08-1698.pdf, DatasheetVersion="Rev A", Features="Reference, Comparator", Mounting Technology="Surface Mount", PackageDescription="8-Pin Plastic DFN, Body 3 × 3 mm, Pitch 0.5 mm", PackageReference=DD8, PartNumber=LTC1540IDD#TRPBF, Prop Delay (us)=50, RoHS=Y, Vos (mV) Guaranteed=12, Vos (mV) Typical=12, Vs Max (V)=11, Vs Min (V)=2
U202: library part CMP-00473-01, "Low-voltage supervisor with adjustable-reset time delay and manual reset", Manufacturer="Texas Instruments", ComponentLink1Description=Datasheet, ComponentLink1URL=https://www.ti.com/lit/ds/symlink/tlv840.pdf?ts=1604051563341&ref_url=https%253A%252F%252Fwww.ti.com%252Fproduct%252FTLV840, Manufacturer Part Number=TLV840XXDH43DBVR, Supplier 1="Texas Instruments", Supplier Part Number 1=TLV840XXDH43DBVR
U300: library part CMP-00302-04, "Highly-efficient, regulated dual-output, ambient energy manager", Manufacturer=e-peas, ComponentLink1Description=Datasheet, Manufacturer Part Number=AEM10941, Supplier 1=e-peas, Supplier Part Number 1=AEM10941
U400: library part CMP-00089-03, "SENSIRION         SHT31-DIS-B             Humidity Sensor, 2 %, 3.3 V, 0% to 100% Relative Humidity, TDFN, 8 Pins, 8 s", Case/Package=DFN, Manufacturer=Sensirion, Max Operating Temperature=125°C, Max Supply Voltage=5.5V, Min Operating Temperature=-40°C, Min Supply Voltage=2.4V, Operating Supply Voltage=3.3V, Supplier Part Number 1=1649-1011-1-ND, Accuracy=2%, ComponentLink1Description=Datasheet, Datasheet=https://www.sensirion.com/fileadmin/user_upload/customers/sensirion/Dokumente/0_Datasheets/Humidity/Sensirion_Humidity_Sensors_SHT3x_Datasheet_digital.pdf, Height=1mm, Interface=I2C, Lead Free="Lead Free", Length=2.6mm, Manufacturer Part Number=SHT31-DIS-B, Mount="Surface Mount", Number of Pins=8, Output Type="I2C, Digital", Packaging="Cut Tape", REACH SVHC="No SVHC", Response Time=8s, Sensor Type=Temperature, Supplier 1=Digi-Key, Width=2.6mm
U401: library part CMP-00193-05, "SENSOR HUMI/TEMP I2C 2% SMD", Manufacturer=Sensirion, Supplier Part Number 1=1649-1100-1-ND, ComponentLink1Description=Datasheet, ComponentLink1URL=https://media.digikey.com/pdf/Data%20Sheets/Sensirion%20PDFs/HT_DS_SHTC3_D1.pdf, Datasheet=https://media.digikey.com/pdf/Data%20Sheets/Sensirion%20PDFs/HT_DS_SHTC3_D1.pdf, Manufacturer Part Number=SHTC3, Supplier 1=Digikey
U402: library part CMP-00218-05, "HAL SENSOR, ULTRA-LOW POWER, 1.65V TO 5.5V", Manufacturer="Texas Instruments", Max Operating Temperature=85°C, Min Operating Temperature=-40°C, Supplier Part Number 1=296-47323-1-ND, ComponentLink1Description=Datasheet, ComponentLink1URL=http://www.ti.com/general/docs/suppproductinfo.tsp?distId=10&gotoUrl=http%3A%2F%2Fwww.ti.com%2Flit%2Fgpn%2Fdrv5032, Manufacturer Part Number=DRV5032FBDBZR, Supplier 1=Digikey
U403: library part CMP-04942-000002-1, "SENSOR OPT 550NM AMBIENT 6USON", Manufacturer="Texas Instruments", Max Junction Temp=+150°C, Max Supply Voltage=3.6V, Min Supply Voltage=1.6V, Operating Supply Current=0.3-1.8uA, Package=DNP0006A, Temperature="-40°C to +85°C", Temperature Range High=+85°C, Temperature Range Low=-40°C, Automotive=No, Category=IC, ComponentLink2Description=Datasheet, ComponentLink2URL=http://www.ti.com/lit/ds/symlink/opt3001.pdf, Device Class L1=Sensors, Device Class L2="Optical Sensors", Device Class L3=unset, Digikey Description="SENSOR OPT 550NM AMBIENT 6USON", Height=0.65mm, Ipc Land Pattern Name=DFN200X200X60-6, Lead Free=Yes, Manufacturer Part Number=OPT3001DNPR, Octopart=https://octopart.com/opt3001dnpr-texas+instruments-47324050, RoHS=TRUE, Sensor Output=I2C,SMBus, Standoff Height=0mm
U404: library part CMP-191074-000001-1, "SENSOR PRESSURE HUMIDITY TEMP", Case/Package=LGA, Max Operating Temperature=85°C, Min Operating Temperature=-40°C, Accuracy=3%, Lead Free="Lead Free", Mount="Surface Mount", Number of Pins=8, Output Type=SPI, Packaging="Cut Tape", Response Time=1s, Sensor Type=Temperature
U405: library part CMP-12175-000011-1, "ACCEL 2-16G I2C/SPI 16LGA", Case/Package=LGA, Max Operating Temperature=85°C, Max Supply Voltage=3.6V, Min Operating Temperature=-40°C, Min Supply Voltage=1.71V, Operating Supply Current=11uA, Operating Supply Voltage=2.5V, Package Quantity=1, Axis="X, Y, Z", Bandwidth=5kHz, Contact Plating=Gold, Depth=3mm, Height=1mm, Interface=I2C, Lead Free="Lead Free", Length=3mm, Max Supply Voltage (DC)=3.6V, Min Supply Voltage (DC)=1.71V, Number of Pins=16, Output Type=Digital, Packaging="Tape and Reel", Radiation Hardening=No, REACH SVHC="No SVHC", Resolution=16b, Sensor Type="3 Axis", Width=3mm
X100: library part CMP-2000-07333-1, "MHz Range Crystal, 24 MHz, -40 to 85 degC, 4-Pin SMD, RoHS, Tape and Reel", Frequency=24MHz, Frequency Stability=10PPM, Load Capacitance=9pF, Manufacturer=Epson, Operating Temperature Range=-40Cto+85C, Package / Case=3.2mmx2.5mm, Package Description="4-Pin Surface Mount Device, Body 3.2 x 2.5 mm", Package Reference=TSX-3225, =X1G004001001012, Brand=EpsonTiming, Datasheet URL=https://support.epson.biz/td/api/doc_check.php?dl=brief_FA-238V_en.pdf, Datasheet Version=12/2015, Drive Level=200uW, ESR=40Ohms, Factory Pack Quantity=250, Height=0.6mm, Length=3.2mm, Manufacturer URL=https://www.eea.epson.com/, Mounting Style=SMD/SMT, Mounting Technology=SurfaceMount, Packaging=Reel, Product Category=Crystals, RoHS=True, Series=TSX-3225, Termination Style=SMD/SMT, Tolerance=10PPM, Type=Crystal, Unit Weight=0.000564oz, Width=2.5mm
Y100: library part CMP-2000-07587-1, "Tuning Fork Crystal, 32.768 KHz, +/- 20 ppm, -40 to 85 degC, 2-Pin SMD, RoHS, Tape and Reel", Case\/Package=SMD/SMT, ESR (Equivalent Series Resistance)=55KOhm, Frequency=32.768KHz, Frequency Tolerance=20ppm, Load Capacitance=6pF, Manufacturer=Abracon, Max Operating Temperature=85degC, Min Operating Temperature=-40degC, Package Description="2-Pin Surface Mount Device, Body 3.2 x 1.5 mm", Package Quantity=3000, Package Reference=ABS07, Series Resistance=60KOhm, Datasheet URL=http://www.abracon.com/Resonators/ABS07-120-32.768kHz-T.pdf, Datasheet Version=11/2014, Depth=1.5mm, Height=0.035inch, Lead Free=LeadFree, Length=3.2mm, Manufacturer URL=http://www.abracon.com/, Mount=SurfaceMount, Mounting Technology=SurfaceMount, Number of Pins=2, Packaging=TapeandReel, Radiation Hardening=No, REACH SVHC=NoSVHC, RoHSCompliant=True, Termination=SMD/SMT, Tolerance=20ppm, Width=0.061inch

## Free pads (board coordinates)
  rect 0x0 hole 0.5 unplated: 0(0,4.2) 0(0,5) 0(0,5.8) 0(5,34) 0(5.8,34) 0(6.6,34) 0(58.9,34) 0(59.7,34) 0(60.5,34) 0(65.5,4.2) 0(65.5,5) 0(65.5,5.8)

## Via types
v1: diameter 0.45, hole 0.2, Top Layer to Bottom Layer, tented both sides, 747 vias
v2: diameter 0.5, hole 0.2, Top Layer to Bottom Layer, 31 vias

## Nets (pads, with @x,y where several pads share a name; then routed paths per layer and width w, separated by ;. In a path a pad name is that pad's centre, name@x,y a point inside that pad or via, vN(x,y) a via of type N, cw(c..) or ccw(c..) an arc to the next point about the centre after c; other vN are vias at no path point)
24M_N: U100.46 X100.3 | length 5.8
  Top Layer w0.15: U100.46@31.625,10.4 33.913,10.4 34.263,10.05 35.9,10.05 36.1,9.85 36.1,9.839 36.756,9.184 X100.3@36.756,9.059
24M_P: U100.47 X100.1 | length 3.7
  Top Layer w0.15: U100.47@31.625,10.9 33.95,10.9 34.309,11.259 X100.1@35.156,11.259
32K_Q1: C116.1 U100.3 Y100.1 | length 5.8
  Top Layer w0.15: C116.1@27.05,16.375 27.05,14.875 27.075,14.85 Y100.1@27.075,14.675 ; Y100.1@27.075,14.325 27.225,14.175 27.937,14.175 29.072,13.04 29.46,13.04 29.93,12.57 29.93,12.095 U100.3@29.975,12.05
32K_Q2: C117.1 U100.4 Y100.2 | length 7.8
  Top Layer w0.15: 24.575,14.1 24.825,13.85 27.838,13.85 28.611,13.077 28.997,12.69 29.11,12.69 29.43,12.37 29.43,12.095 U100.4@29.475,12.05 ; Y100.2@24.575,14.45 C117.1@24.575,16.375